# Altium PCB FMC_DAC_125M_14B_16CHA.PcbDoc (part 5 of 9)
Units mm, origin at the board's own origin, x right, y up, seen from the top; angles counter-clockwise.
Board outline 77.15 x 69 mm, 8 copper layers (L1, P2, L3, P4, L5, P6, L7, L8), stack 1.438 mm thick; 612 components, 516 nets, 2304 pads, 1339 vias.
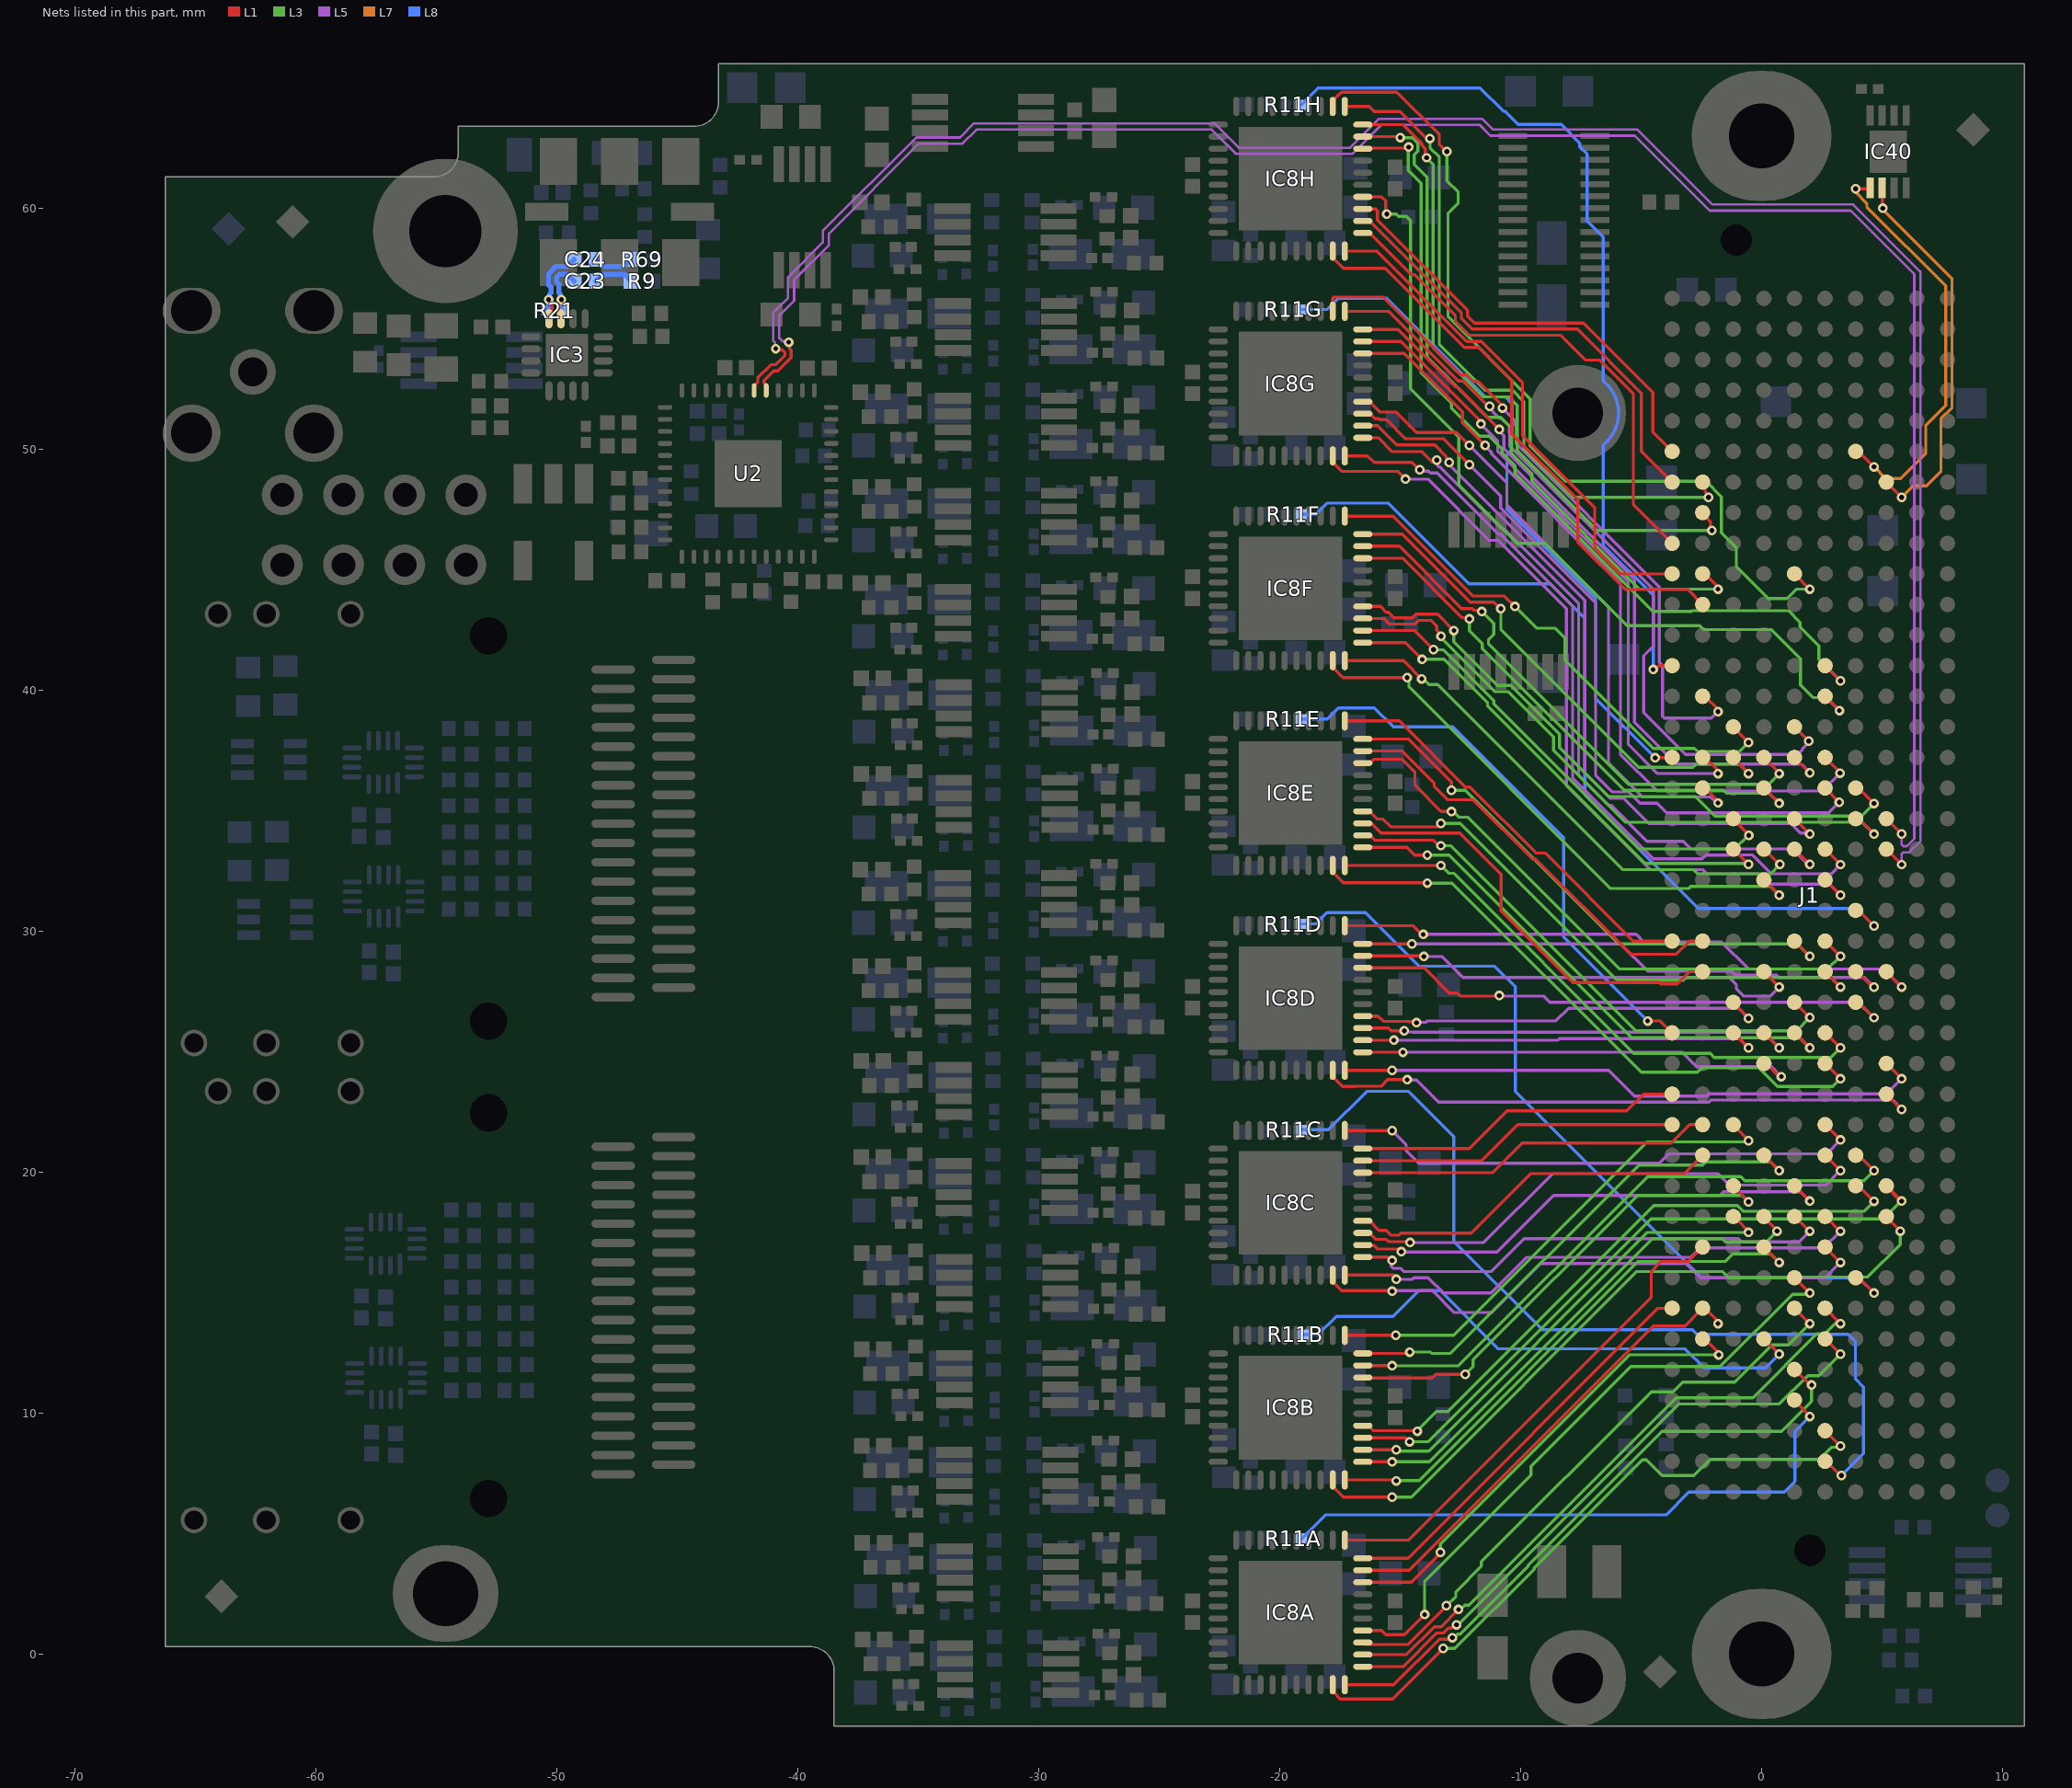
[diagram p11: the nets of this part, all layers, seen from the top]

## Via types
v1: diameter 0.4, hole 0.2, L1 to L8, tented both sides, 1114 vias
v2: diameter 0.5, hole 0.2, L1 to L8, tented both sides, 132 vias
v3: diameter 0.4, hole 0.2, L1 to L8, 61 vias
v4: diameter 0.6, hole 0.3, L1 to L8, tented both sides, 30 vias
v5: diameter 0.6, hole 0.3, L1 to L8, 2 vias

## Nets (pads, with @x,y where several pads share a name; then routed paths per layer and width w, separated by ;. In a path a pad name is that pad's centre, name@x,y a point inside that pad or via, vN(x,y) a via of type N, cw(c..) or ccw(c..) an arc to the next point about the centre after c; other vN are vias at no path point) (continued)
DATA3G: IC8G.12 J1.j27 | length 28.5
  L1 w0.127: IC8G.12@-17.802,55.722 -17.802,56.264 -17.753,56.313 -15.714,56.313 -12.482,53.081 -12.241,53.081 -11.971,52.811 -11.763,52.811 -10.759,51.807 v1(-10.759,51.712) ; J1.j27@-2.445,39.746 -2.357,39.746 -1.81,39.199 v1(-1.81,39.111)
  L5 w0.127: v1(-10.759,51.712) -10.219,51.172 -10.219,50.989 -10.191,50.961 -10.191,50.225 -4.245,44.28 -4.245,41.154 -4.109,41.017 -4.109,38.911 -4.035,38.837 -2.089,38.837 -1.815,39.111 v1(-1.81,39.111)
DATA3H: IC8H.12 J1.f31 | length 37
  L1 w0.127: IC8H.12@-17.802,64.222 -17.802,64.464 -17.57,64.696 -17.549,64.696 -17.433,64.813 -15.136,64.813 -13.378,63.055 -13.378,62.633 -13.098,62.353 v1(-13.061,62.353) ; J1.f31@1.365,44.826 v1(2,44.191)
  L3 w0.127: v1(-13.061,62.353) -13.061,61.132 -12.596,60.666 -12.596,60.22 -13.016,59.8 -13.016,55.492 -9.615,52.092 -9.615,50.132 -8.145,48.662 -2.309,48.662 -1.674,48.027 -1.674,46.526 -1.048,45.901 -1.048,45.127 0.278,43.8 1.052,43.8 1.442,44.191 v1(2,44.191)
DATA4A: IC8A.11 J1.j9 | length 20.5
  L1 w0.127: IC8A.11@-17.302,4.722 -14.659,4.722 -4.579,14.803 -4.579,15.886 -4.172,16.292 -3.039,16.292 J1.j9@-2.445,16.886
DATA4B: IC8B.11 J1.h13 | length 21.1
  L1 w0.127: IC8B.11@-17.302,13.222 v1(-15.182,13.222) ; J1.h13@-1.15,21.966 J1.h13@-1.175,21.966 -1.175,21.95 -0.54,21.315 v1(-0.54,21.299)
  L3 w0.127: v1(-15.182,13.222) -12.778,13.222 -4.746,21.255 -0.584,21.255 v1(-0.54,21.299)
DATA4C: IC8C.11 J1.e13 | length 22.6
  L1 w0.127: IC8C.11@-17.302,21.722 v1(-15.338,21.722) ; J1.e13@2.635,21.966 v1(3.27,21.331)
  L5 w0.127: v1(-15.338,21.722) -14.754,21.138 -14.754,20.895 -14.222,20.363 -4.246,20.363 -3.856,20.753 2.692,20.753 v1(3.27,21.331)
DATA4D: IC8D.11 J1.c18 | length 25.1
  L1 w0.127: IC8D.11@-17.302,30.222 -14.467,30.222 -14.108,29.863 v1(-14.043,29.863) ; J1.c18@5.175,28.316 5.18,28.316 5.18,28.313 5.813,27.681 v1(5.815,27.681)
  L5 w0.127: v1(-14.043,29.863) -5.209,29.863 -4.893,29.547 -1.669,29.547 -0.551,28.429 5.067,28.429 v1(5.815,27.681)
DATA4E: IC8E.11 J1.k19 | length 17.4
  L1 w0.127: IC8E.11@-17.302,38.722 -15.036,38.722 -12.294,35.98 -12.11,35.98 -9.368,33.238 -8.983,33.238 -5.328,29.583 -3.717,29.583 J1.k19@-3.715,29.586
DATA4F: IC8F.11 J1.h26 | length 22.4
  L1 w0.127: IC8F.11@-17.302,47.222 -15.299,47.222 -11.981,43.905 -10.67,43.905 v1(-10.237,43.472) ; J1.h26@-1.175,38.476 -1.175,38.46 v1(-0.54,37.825)
  L3 w0.127: v1(-10.237,43.472) -9.337,42.572 -8.577,42.572 -8.16,42.156 -8.16,41.24 -4.5,37.58 -2.796,37.58 -2.671,37.456 -0.909,37.456 v1(-0.54,37.825)
DATA4G: IC8G.11 J1.f26 | length 32.1
  L1 w0.127: IC8G.11@-17.302,55.722 -15.482,55.722 -12.587,52.827 -12.392,52.827 -11.347,51.782 v1(-11.286,51.782) ; J1.f26@1.365,38.476 v1(1.96,37.881)
  L5 w0.127: v1(-11.286,51.782) -11.286,51.708 -11.149,51.571 -11.149,51.55 -10.872,51.273 -10.792,51.273 -10.473,50.954 -10.473,50.687 -10.445,50.66 -10.445,50.12 -4.499,44.174 -4.499,41.816 -4.89,41.425 -4.89,39.067 -3.157,37.334 1.493,37.334 1.7,37.541 1.7,37.588 1.96,37.847 v1(1.96,37.881)
DATA4H: IC8H.11 J1.j34 | length 28.5
  L1 w0.127: IC8H.11@-17.302,64.222 -16.289,64.222 -16.077,64.01 -15.016,64.01 -13.899,62.893 v1(-13.769,62.893) ; J1.j34@-2.445,48.636 -2.347,48.538 -2.347,48.222 -2.199,48.075 v1(-2.199,48.001)
  L3 w0.127: v1(-13.769,62.893) -13.763,62.887 -13.763,62.502 -13.377,62.116 -13.377,54.335 -11.487,52.446 -10.338,52.446 -9.869,51.976 -9.869,50.027 -7.842,48.001 v1(-2.199,48.001)
DATA5A: IC8A.10 J1.k7 | length 17.1
  L1 w0.127: IC8A.10@-16.552,3.972 -14.673,3.972 -4.299,14.346 J1.k7@-3.715,14.346
DATA5B: IC8B.10 J1.g12 | length 21.7
  L1 w0.127: IC8B.10@-16.552,12.472 -14.659,12.472 v1(-14.604,12.527) ; J1.g12@0.095,20.696 v1(0.73,20.061)
  L3 w0.127: v1(-14.604,12.527) -13.744,12.527 -13.69,12.472 -12.904,12.472 -5.087,20.289 -2.445,20.289 -2.315,20.419 0.371,20.419 v1(0.73,20.061)
DATA5C: IC8C.10 J1.k14 | length 13.8
  L1 w0.127: IC8C.10@-16.552,20.972 -12.127,20.972 -10.563,22.537 -5.595,22.537 -4.895,23.236 J1.k14@-3.715,23.236
DATA5D: IC8D.10 J1.d18 | length 23
  L1 w0.127: IC8D.10@-16.552,29.472 v1(-14.515,29.472) ; J1.d18@3.905,28.316 3.966,28.316 4.607,27.675 v1(4.668,27.675)
  L5 w0.127: v1(-14.515,29.472) -5.862,29.472 -4.725,28.335 -1.257,28.335 -1.097,28.175 0.626,28.175 0.73,28.071 4.271,28.071 v1(4.668,27.675)
DATA5E: IC8E.10 J1.f19 | length 23.4
  L1 w0.127: IC8E.10@-16.552,37.972 -14.658,37.972 -12.869,36.183 v1(-12.869,35.841) ; J1.f19@1.365,29.586 v1(2,28.951)
  L3 w0.127: v1(-12.869,35.841) -12.301,35.841 -5.932,29.472 1.478,29.472 v1(2,28.951)
DATA5F: IC8F.10 J1.h25 | length 21.7
  L1 w0.127: IC8F.10@-16.552,46.472 -14.908,46.472 -12.086,43.651 -11.108,43.651 -10.842,43.385 v1(-10.822,43.385) ; J1.h25@-1.175,37.206 -1.175,37.19 -0.54,36.555 v1(-0.54,36.538)
  L3 w0.127: v1(-10.822,43.385) -10.815,43.378 -10.822,43.371 -10.822,42.515 -5.106,36.799 -2.856,36.799 -2.726,36.929 -0.93,36.929 v1(-0.54,36.538)
DATA5G: IC8G.10 J1.f25 | length 30.9
  L1 w0.127: IC8G.10@-16.552,54.972 -15.092,54.972 -12.692,52.573 -12.629,52.573 -10.891,50.834 v1(-10.891,50.82) ; J1.f25@1.365,37.206 v1(2,36.571)
  L5 w0.127: v1(-10.891,50.82) -10.891,50.746 -10.699,50.554 -10.699,50.015 -5.28,44.596 -5.28,38.666 -3.543,36.929 1.642,36.929 v1(2,36.571)
DATA5H: IC8H.10 J1.j33 | length 28.1
  L1 w0.127: IC8H.10@-16.552,63.472 -14.9,63.472 -14.12,62.692 -14.12,62.635 -13.96,62.475 -13.96,62.147 v1(-13.908,62.095) ; J1.j33@-2.445,47.366 -2.445,47.301 -2.116,46.972 -2.116,46.678 v1(-2.064,46.626)
  L3 w0.127: v1(-13.908,62.095) -13.631,61.818 -13.631,54.23 -11.573,52.172 -10.487,52.172 -10.141,51.826 -10.141,49.94 -6.826,46.626 v1(-2.064,46.626)
DATA6A: IC8A.9 J1.j7 | length 19.6
  L1 w0.127: IC8A.9@-16.552,3.472 -14.63,3.472 -4.493,13.609 -3.182,13.609 -2.521,14.27 -2.445,14.27 J1.j7@-2.445,14.346 -2.357,14.346 -1.81,13.799 v1(-1.81,13.711)
DATA6B: IC8B.9 J1.d12 | length 25.8
  L1 w0.127: IC8B.9@-16.552,11.972 -15.352,11.972 v1(-15.338,11.958) ; J1.d12@3.905,20.696 4.032,20.696 J1.d12@4.032,20.632 ; J1.d12@4.033,20.687 v1@4.665,20.055 ; v1@4.629,20.035 v1@4.692,20.035
  L3 w0.127: v1(-15.338,11.958) -12.583,11.958 -4.728,19.814 -0.877,19.814 -0.702,19.638 4.252,19.638 v1@4.649,20.035
  other v1: 4.668,20.055
DATA6C: IC8C.9 J1.k13 | length 13.5
  L1 w0.127: IC8C.9@-16.552,20.472 -11.609,20.472 -10.116,21.966 J1.k13@-3.715,21.966
DATA6D: IC8D.9 J1.g18 | length 19.1
  L1 w0.127: IC8D.9@-16.552,28.972 -14.043,28.972 v1(-14.016,28.945) ; J1.g18@0.095,28.316 v1(0.73,27.681)
  L5 w0.127: v1(-14.016,28.945) -13.268,28.945 -12.404,28.081 -1.893,28.081 ; -1.893,28.071 -1.353,28.071 -1.048,27.766 -1.048,27.605 -0.743,27.3 0.349,27.3 v1(0.73,27.681)
DATA6E: IC8E.9 J1.j19 | length 17.9
  L1 w0.127: IC8E.9@-16.552,37.472 -14.907,37.472 -13.59,36.156 -13.59,36.01 -13.031,35.451 -11.969,35.451 -9.503,32.984 -9.376,32.984 -5.431,29.039 -3.54,29.039 -2.993,29.586 J1.j19@-2.445,29.586
DATA6F: IC8F.9 J1.g25 | length 23.3
  L1 w0.127: IC8F.9@-16.552,45.972 -15.039,45.972 -12.451,43.385 -12.004,43.385 -11.931,43.313 -11.661,43.313 v1(-11.609,43.26) ; J1.g25@0.095,37.206 0.73,36.571 v1(0.73,36.538)
  L3 w0.127: v1(-11.609,43.26) -11.122,42.773 -11.122,42.31 -11.335,42.097 -11.335,41.913 -5.518,36.095 0.287,36.095 v1(0.73,36.538)
DATA6G: IC8G.9 J1.j25 | length 27.4
  L1 w0.127: IC8G.9@-16.552,54.472 -14.978,54.472 -11.655,51.149 v1(-11.655,51.047) ; J1.j25@-2.445,37.206 -2.357,37.206 -1.81,36.659 v1(-1.81,36.538)
  L5 w0.127: v1(-11.655,51.047) -11.655,51.032 -10.953,50.33 -10.953,49.909 -5.534,44.491 -5.534,37.756 -4.317,36.538 v1(-1.81,36.538)
DATA6H: IC8H.9 J1.j31 | length 29.4
  L1 w0.127: IC8H.9@-16.552,62.972 -15.035,62.972 v1(-14.997,62.933) ; J1.j31@-2.445,44.826 -2.357,44.826 -1.81,44.279 v1(-1.81,44.191)
  L3 w0.127: v1(-14.997,62.933) -14.99,62.926 -14.489,62.926 -14.26,62.698 -14.26,62.374 -14.418,62.216 -14.418,61.809 -13.885,61.276 -13.885,53.828 -11.378,51.321 -10.84,51.321 -10.395,50.877 -10.395,49.835 -9.536,48.976 -9.536,48.659 -5.068,44.191 v1(-1.81,44.191)
DATA7A: IC8A.8 J1.j6 | length 19.8
  L1 w0.127: IC8A.8@-16.552,2.972 -14.538,2.972 -13.335,4.175 v3(-13.335,4.215) ; J1.j6@-2.445,13.076 -2.357,13.076 v1@-1.81,12.529
  L3 w0.127: v3(-13.335,4.215) -13.335,4.565 -5.486,12.414 v1(-1.779,12.414)
DATA7B: IC8B.8 J1.h11 | length 20.4
  L1 w0.127: IC8B.8@-16.552,11.472 -16.531,11.451 -13.665,11.451 -13.516,11.601 v3(-12.301,11.601) ; J1.h11@-1.175,19.426 -1.175,19.41 -0.54,18.775 v1(-0.54,18.759)
  L3 w0.127: v3(-12.301,11.601) -11.976,11.926 -11.976,12.207 -5.149,19.033 -0.818,19.033 -0.544,18.759 v1(-0.54,18.759)
DATA7C: IC8C.8 J1.j13 | length 14.9
  L1 w0.127: IC8C.8@-16.552,19.972 -11.168,19.972 -9.934,21.206 -3.752,21.206 -2.993,21.966 J1.j13@-2.445,21.966
DATA7D: IC8D.8 J1.d17 | length 23
  L1 w0.127: IC8D.8@-16.552,28.472 -14.008,28.472 -12.967,27.431 -12.619,27.431 -12.487,27.3 -10.973,27.3 -10.952,27.321 v3(-10.891,27.321) ; J1.d17@4.033,27.037 v1@4.665,26.405
  L5 w0.127: v3@-10.891,27.3 -9.04,27.3 -8.786,27.046 4.027,27.046 v1(4.668,26.405)
DATA7E: IC8E.8 J1.e19 | length 24.9
  L1 w0.127: IC8E.8@-16.552,36.972 -16.244,36.972 -16.085,37.131 -14.925,37.131 -14.389,36.595 -14.389,36.046 -13.303,34.96 v1(-12.869,34.96) ; J1.e19@2.635,29.586 v1(3.27,28.951)
  L3 w0.127: v1(-12.869,34.96) -12.796,34.96 -12.562,34.726 -12.21,34.726 -5.912,28.429 2.748,28.429 v1(3.27,28.951)
DATA7F: IC8F.8 J1.g24 | length 22.8
  L1 w0.127: IC8F.8@-16.552,45.472 -14.898,45.472 -12.434,43.008 -12.179,43.008 v1(-12.127,42.956) ; J1.g24@0.095,35.936 v1(0.73,35.301)
  L3 w0.127: v1(-12.127,42.956) -12.127,42.461 -11.589,41.923 -11.589,41.73 -5.7,35.841 -1.57,35.841 -1.444,35.715 0.315,35.715 v1(0.73,35.301)
DATA7G: IC8G.8 J1.e25 | length 33
  L1 w0.127: IC8G.8@-16.552,53.972 -14.837,53.972 -12.413,51.548 -12.413,51.094 v1(-11.472,50.153) ; J1.e25@2.635,37.206 2.635,37.196 3.251,36.58 v1(3.251,36.558)
  L5 w0.127: v1(-11.472,50.153) -11.472,50.13 -11.207,49.865 -11.207,49.804 -5.862,44.46 -5.862,37.334 -4.345,35.817 2.516,35.817 3.251,36.552 v1(3.251,36.558)
DATA7H: IC8H.8 J1.e28 | length 36
  L1 w0.127: IC8H.8@-16.552,62.472 -16.528,62.496 -14.691,62.496 v1(-14.65,62.536) ; J1.e28@2.635,41.016 v1(3.27,40.381)
  L3 w0.127: v1(-14.65,62.536) -14.672,62.514 -14.672,61.578 -14.139,61.045 -14.139,53.178 -12.868,51.907 -12.868,51.707 -11.704,50.543 -11.31,50.543 -10.774,50.007 -10.774,49.854 -10.237,49.318 -10.237,49.001 -4.506,43.27 -2.908,43.27 -2.883,43.296 1.112,43.296 1.592,42.816 1.592,42.611 2.373,41.83 2.373,41.278 v1(3.27,40.381)
DATA8A: IC8A.4 J1.f8 | length 27.2
  L1 w0.127: IC8A.4@-16.552,0.972 -15.771,0.972 -15.604,0.805 -14.818,0.805 v1(-13.987,1.636) ; v1@1.898,14.93 1.898,15.082 J1.f8@1.365,15.616 v1(2,14.981)
  L3 w0.127: v1(-13.987,1.636) -13.987,3.01 -9.566,7.432 -9.566,7.796 -5.438,11.924 -1.717,11.924 1.289,14.93 v1@1.898,14.93
DATA8B: IC8B.4 J1.d11 | length 26.4
  L1 w0.127: IC8B.4@-16.552,9.472 -16.331,9.472 -16.124,9.266 -14.314,9.266 v1(-14.293,9.245) ; J1.d11@4.033,19.417 v1@4.665,18.785
  L3 w0.127: v1(-14.293,9.245) -14.293,9.279 -13.51,10.063 -13.024,10.063 -4.478,18.609 -1.001,18.609 -0.76,18.368 4.252,18.368 v1(4.668,18.785)
DATA8C: IC8C.4 J1.j12 | length 15.7
  L1 w0.127: IC8C.4@-16.552,17.972 -16.277,17.972 -15.881,17.576 -15.588,17.576 -15.391,17.379 -15.053,17.379 -14.97,17.463 -12.051,17.463 -9.577,19.936 -3.204,19.936 J1.j12@-2.445,20.696
DATA8D: IC8D.4 J1.h17 | length 17.5
  L1 w0.127: IC8D.4@-16.552,26.472 -15.918,26.472 -15.699,26.253 -14.672,26.253 -14.667,26.249 -14.377,26.249 v1(-14.325,26.196) ; J1.h17@-1.175,27.046 -1.175,27.03 -0.54,26.395 v1(-0.54,26.379)
  L5 w0.127: v1(-14.325,26.196) -14.31,26.211 -13.934,26.211 -13.871,26.274 -8.533,26.274 -8.015,26.792 -0.953,26.792 v1(-0.54,26.379)
DATA8E: IC8E.4 J1.e18 | length 24
  L1 w0.127: IC8E.4@-16.552,34.972 -16.277,34.972 -15.954,34.65 -15.719,34.65 -15.396,34.326 -13.461,34.326 v1(-13.315,34.472) ; J1.e18@2.635,28.316 v1(3.27,27.681)
  L3 w0.127: v1(-13.315,34.472) -12.515,34.472 -5.998,27.956 -3.251,27.956 -3.126,28.081 2.87,28.081 v1(3.27,27.681)
DATA8F: IC8F.4 J1.d24 | length 26.7
  L1 w0.127: IC8F.4@-16.552,43.472 -15.82,43.472 -15.574,43.226 -15.482,43.226 -15.25,42.994 -14.497,42.994 -14.343,43.147 -13.447,43.147 v1(-12.772,42.472) ; J1.d24@4.033,35.927 v1@4.665,35.295
  L3 w0.127: v1(-12.772,42.472) -12.772,42.001 -10.96,40.19 -10.408,40.19 -8.383,38.165 -8.383,37.612 -6.358,35.587 -2.763,35.587 -1.946,34.77 4.143,34.77 v1(4.668,35.295)
DATA8G: IC8G.4 J1.j24 | length 26.9
  L1 w0.127: IC8G.4@-16.552,51.972 -16.277,51.972 -15.849,51.544 -15.18,51.544 -14.324,50.687 -12.661,50.687 v1(-12.127,50.153) ; J1.j24@-2.445,35.936 -2.357,35.936 -1.81,35.389 v1(-1.81,35.318)
  L5 w0.127: v1(-12.127,50.153) -10.571,48.597 -10.571,47.671 -6.357,43.456 -6.357,36.98 -4.939,35.563 -2.117,35.563 -1.872,35.318 v1(-1.81,35.318)
DATA8H: IC8H.4 J1.e27 | length 35.6
  L1 w0.127: IC8H.4@-16.552,60.472 -15.771,60.472 -15.608,60.31 -15.608,59.813 v1(-15.556,59.761) ; J1.e27@2.635,39.746 v1(3.23,39.151)
  L3 w0.127: v1(-15.556,59.761) -15.161,59.761 -15.063,59.663 -14.742,59.663 -14.576,59.497 -14.576,52.511 -12.562,50.497 -12.562,48.516 -10.141,46.096 -8.996,46.096 -5.574,42.674 -2.575,42.674 -2.416,42.515 0.388,42.515 1.625,41.278 1.625,40.756 1.609,40.74 1.609,40.219 2.138,39.691 2.69,39.691 v1(3.23,39.151)
DATA9A: IC8A.3 J1.f7 | length 26.2
  L1 w0.127: IC8A.3@-16.552,0.472 -16.469,0.389 -14.681,0.389 -13.692,1.378 -13.082,1.988 v1(-13.082,2.001) ; v1@2,13.685 2,13.698 1.378,14.32 1.365,14.32 J1.f7@1.365,14.346 v1(2,13.711)
  L3 w0.127: v1(-13.082,2.001) -12.691,2.392 -12.691,2.581 -11.627,3.645 -11.627,3.829 -4.574,10.882 -3.68,10.882 -3.28,11.282 -1.115,11.282 0.435,12.831 1.12,12.831 v1(2,13.711)
DATA9B: IC8B.3 J1.c11 | length 28.3
  L1 w0.127: IC8B.3@-16.552,8.972 -16.535,8.956 -16.527,8.964 -14.765,8.964 v1(-14.607,8.807) ; v1@5.759,18.765 5.759,18.803 5.213,19.35 5.175,19.35 J1.c11@5.175,19.426 5.18,19.426 5.18,19.423 5.813,18.791 v1(5.815,18.791)
  L3 w0.127: v1(-14.607,8.807) -13.844,8.807 -4.594,18.056 5.05,18.056 v1@5.759,18.765
DATA9C: IC8C.3 J1.e12 | length 22.5
  L1 w0.127: IC8C.3@-16.552,17.472 -16.277,17.472 -16.007,17.203 -15.588,17.203 -15.497,17.111 -14.627,17.111 v1(-14.588,17.072) ; J1.e12@2.635,20.696 v1(3.27,20.061)
  L5 w0.127: v1(-14.588,17.072) -11.529,17.072 -8.668,19.934 -1.81,19.934 -1.332,19.456 2.665,19.456 3.243,20.033 3.27,20.033 v1(3.27,20.061)
DATA9D: IC8D.3 J1.g16 | length 18.5
  L1 w0.127: IC8D.3@-16.552,25.972 -15.484,25.972 -15.374,25.863 v1(-14.834,25.863) ; J1.g16@0.095,25.776 0.1,25.776 0.725,25.15 v1(0.73,25.15)
  L5 w0.127: v1(-14.834,25.863) -14.781,25.811 -14.491,25.811 -14.486,25.806 0.074,25.806 v1(0.73,25.15)
DATA9E: IC8E.3 J1.j18 | length 18
  L1 w0.127: IC8E.3@-16.552,34.472 -16.528,34.449 -16.175,34.449 -15.798,34.072 -12.529,34.072 -10.815,32.358 -10.815,30.843 -7.843,27.871 -4.246,27.871 -4.181,27.805 -3.503,27.805 -2.993,28.316 J1.j18@-2.445,28.316
DATA9F: IC8F.3 J1.d23 | length 26.5
  L1 w0.127: IC8F.3@-16.552,42.972 -15.68,42.972 -15.447,42.74 -14.392,42.74 -14.238,42.893 -13.713,42.893 -13.485,42.665 -13.485,42.491 -13.303,42.309 v1(-13.303,42.235) ; J1.d23@4.033,34.657 v1@4.665,34.025
  L3 w0.127: v1(-13.303,42.235) -13.303,42.173 -11.066,39.936 -10.513,39.936 -8.637,38.059 -8.637,37.507 -5.646,34.516 4.177,34.516 v1(4.668,34.025)
DATA9G: IC8G.3 J1.e24 | length 32.1
  L1 w0.127: IC8G.3@-16.552,51.472 -16.244,51.472 -16.041,51.269 -15.884,51.269 -15.841,51.226 -15.57,51.226 -14.777,50.433 -13.201,50.433 v1(-12.127,49.359) ; J1.e24@2.635,35.936 v1(3.222,35.349)
  L5 w0.127: v1(-12.127,49.359) -10.825,48.057 -10.825,47.565 -6.89,43.63 -6.89,36.476 -6.187,35.773 -5.509,35.773 -5.044,35.309 -4.338,35.309 -3.939,34.91 2.783,34.91 v1(3.222,35.349)
DATA9H: IC8H.3 J1.k35 | length 18.3
  L1 w0.127: IC8H.3@-16.552,59.972 -16.021,59.972 -15.947,59.898 -15.947,59.501 -12.205,55.759 -12.205,55.522 -11.918,55.235 -7.394,55.235 -4.512,52.353 -4.512,50.703 J1.k35@-3.715,49.906
DATA10A: IC8A.2 J1.e7 | length 27.1
  L1 w0.127: IC8A.2@-16.551,-0.029 -14.74,-0.029 -13.587,1.124 -13.3,1.124 v1(-12.579,1.846) ; v1@3.168,13.812 J1.e7@2.635,14.346 v1(3.27,13.711)
  L3 w0.127: v1(-12.579,1.846) -12.505,1.846 -12.322,2.029 -12.139,2.029 -3.54,10.628 -0.359,10.628 2.308,13.295 2.651,13.295 v1@3.168,13.812
DATA10B: IC8B.2 J1.h10 | length 20.8
  L1 w0.127: IC8B.2@-16.552,8.472 v1(-15.16,8.472) ; J1.h10@-1.175,18.156 -1.087,18.156 -1.087,18.09 -0.54,17.542 v1(-0.54,17.494)
  L3 w0.127: v1(-15.16,8.472) -15.104,8.416 -13.815,8.416 -4.737,17.494 v1(-0.54,17.494)
DATA10C: IC8C.2 J1.f11 | length 20.8
  L1 w0.127: IC8C.2@-16.552,16.972 -16.528,16.949 -16.074,16.949 -15.926,16.801 -15.086,16.801 -14.977,16.692 v1(-14.956,16.692) ; J1.f11@1.365,19.426 v1(2,18.791)
  L5 w0.127: v1(-14.956,16.692) -14.946,16.682 -10.98,16.682 -8.629,19.033 -1.732,19.033 -1.583,19.181 1.61,19.181 v1(2,18.791)
DATA10D: IC8D.2 J1.h16 | length 17.1
  L1 w0.127: IC8D.2@-16.552,25.472 v1(-15.264,25.472) ; J1.h16@-1.175,25.776 -1.17,25.776 -0.545,25.15 v1(-0.54,25.15)
  L5 w0.127: v1(-15.264,25.472) -8.454,25.472 -8.385,25.541 -0.93,25.541 v1(-0.54,25.15)
DATA10E: IC8E.2 J1.f17 | length 23
  L1 w0.127: IC8E.2@-16.552,33.972 -16.244,33.972 -16.041,33.769 -13.615,33.769 -13.389,33.543 v1(-13.315,33.543) ; J1.f17@1.365,27.046 v1(2,26.411)
  L3 w0.127: v1(-13.315,33.543) -12.903,33.543 -5.222,25.863 1.452,25.863 v1(2,26.411)
DATA10F: IC8F.2 J1.h23 | length 21
  L1 w0.127: IC8F.2@-16.552,42.472 -14.401,42.472 v1(-13.615,41.686) ; J1.h23@-1.175,34.666 -1.175,34.65 -0.54,34.015 -0.54,33.984 v1(-0.531,33.975)
  L3 w0.127: v1(-13.615,41.686) -13.605,41.677 -13.224,41.677 -11.119,39.571 -11.119,39.436 -5.092,33.41 -1.11,33.41 -0.545,33.975 v1(-0.531,33.975)
DATA10G: IC8G.2 J1.f23 | length 30.8
  L1 w0.127: IC8G.2@-16.552,50.972 -15.947,50.972 -15.153,50.179 -13.566,50.179 -13.094,49.708 -13.094,49.65 -12.967,49.523 v1(-12.967,49.449) ; J1.f23@1.365,34.666 v1(2,34.031)
  L5 w0.127: v1(-12.967,49.449) -12.967,49.348 -7.339,43.72 -7.339,36.566 -6.292,35.519 -5.732,35.519 -4.685,34.472 1.209,34.472 1.609,34.072 1.958,34.072 v1(2,34.031)
DATA10H: IC8H.2 J1.k34 | length 18.9
  L1 w0.127: IC8H.2@-16.552,59.472 -16.278,59.472 -12.459,55.654 -12.459,55.417 -12.023,54.981 -7.645,54.981 -4.985,52.321 -4.985,49.906 J1.k34@-3.715,48.636
DATA11A: IC8A.1 J1.e6 | length 26.1
  L1 w0.127: IC8A.1@-16.552,-0.528 -14.88,-0.528 -13.482,0.87 -13.195,0.87 -13.001,1.064 -12.882,1.064 -12.737,1.21 v1(-12.663,1.21) ; J1.e6@2.635,13.076 v1(3.27,12.441)
  L3 w0.127: v1(-12.663,1.21) -12.599,1.21 -3.434,10.374 0.742,10.374 1.915,11.547 2.376,11.547 v1(3.27,12.441)
DATA11B: IC8B.1 J1.g10 | length 22.1
  L1 w0.127: IC8B.1@-16.552,7.972 v1(-15.338,7.972) ; J1.g10@0.095,18.156 0.095,18.095 0.125,18.095 0.644,17.576 v1(0.644,17.546)
  L3 w0.127: v1(-15.338,7.972) -13.797,7.972 -4.529,17.24 -1.639,17.24 -1.502,17.103 0.202,17.103 v1(0.644,17.546)
DATA11C: IC8C.1 J1.f10 | length 20.7
  L1 w0.127: IC8C.1@-16.552,16.472 -15.517,16.472 -15.374,16.328 v1(-15.338,16.328) ; J1.f10@1.365,18.156 1.39,18.156 1.39,18.143 1.987,17.546 v1(2,17.546)
  L5 w0.127: v1(-15.338,16.328) -15.374,16.293 -15.374,16.086 -15.294,16.006 -14.999,16.006 -14.862,15.87 -11.218,15.87 -9.848,17.24 -0.961,17.24 -0.824,17.103 1.557,17.103 v1(2,17.546)
DATA11D: IC8D.1 J1.g15 | length 18.7
  L1 w0.127: IC8D.1@-16.552,24.972 v1(-14.886,24.972) ; J1.g15@0.095,24.506 0.195,24.506 0.743,23.958 v1(0.817,23.958)
  L5 w0.127: v1(-14.886,24.972) -3.297,24.972 -2.691,24.367 0.408,24.367 v1(0.817,23.958)
DATA11E: IC8E.1 J1.f16 | length 22.9
  L1 w0.127: IC8E.1@-16.552,33.472 -14.727,33.472 -14.407,33.153 v1(-13.875,33.153) ; J1.f16@1.365,25.776 1.37,25.776 1.995,25.15 v1(2,25.15)
  L3 w0.127: v1(-13.875,33.153) -12.975,33.153 -5.395,25.572 1.578,25.572 v1(2,25.15)
DATA11F: IC8F.1 J1.h22 | length 20.8
  L1 w0.127: IC8F.1@-16.552,41.972 -14.782,41.972 v1(-14.087,41.278) ; J1.h22@-1.175,33.396 -1.172,33.396 -0.543,32.767 v1(-0.54,32.767)
  L3 w0.127: v1(-14.087,41.278) -13.185,41.278 -11.373,39.466 -11.373,39.331 -4.844,32.802 -0.575,32.802 v1(-0.54,32.767)
DATA11G: IC8G.1 J1.f22 | length 31.2
  L1 w0.127: IC8G.1@-16.552,50.472 -15.903,50.472 -15.328,49.897 -14.098,49.897 -13.669,49.468 -13.637,49.468 -13.559,49.546 v1(-13.485,49.546) ; J1.f22@1.365,33.396 1.368,33.396 1.997,32.767 v1(2,32.767)
  L5 w0.127: v1(-13.485,49.546) -13.521,49.51 -13.521,49.404 -13.381,49.264 -13.353,49.264 -10.811,46.722 -10.716,46.722 -7.593,43.598 -7.593,36.461 -6.357,35.224 -6.255,35.224 -4.753,33.723 -3.258,33.723 -2.945,33.41 -1.449,33.41 -1.448,33.412 1.273,33.412 1.683,33.002 1.692,33.002 1.926,32.767 v1(2,32.767)
DATA11H: IC8H.1 J1.k32 | length 21
  L1 w0.127: IC8H.1@-16.552,58.972 -16.277,58.972 -14.554,57.249 -14.413,57.249 -12.713,55.549 -12.713,55.312 -12.129,54.727 -8.338,54.727 -7.306,53.695 -6.718,53.695 -5.328,52.305 -5.328,47.708 J1.k32@-3.715,46.096
DATA12A: IC8A.40 J1.f5 | length 25.9
  L1 w0.127: IC8A.40@-17.302,-1.278 -15.271,-1.278 -13.377,0.616 -12.897,0.616 v1(-12.839,0.674) ; J1.f5@1.365,11.806 2.014,11.156 v1(2.077,11.156)
  L3 w0.127: v1(-12.839,0.674) -12.765,0.674 -12.62,0.819 -12.501,0.819 -9.696,3.624 -9.696,3.672 -4.128,9.24 0.832,9.24 2.077,10.485 v1(2.077,11.156)
DATA12B: IC8B.40 J1.g9 | length 23
  L1 w0.127: IC8B.40@-17.302,7.222 -15.199,7.222 v1(-15.16,7.183) ; J1.g9@0.095,16.886 v1(0.73,16.251)
  L3 w0.127: v1(-15.16,7.183) -15.144,7.199 -14.211,7.199 -5.118,16.292 -1.502,16.292 -1.184,16.61 0.371,16.61 v1(0.73,16.251)
DATA12C: IC8C.40 J1.e10 | length 22.9
  L1 w0.127: IC8C.40@-17.302,15.722 -15.267,15.722 -15.16,15.616 v1(-15.16,15.547) ; J1.e10@2.635,18.156 2.66,18.156 2.66,18.143 3.257,17.546 v1(3.27,17.546)
  L5 w0.127: v1(-15.16,15.547) -14.498,15.547 -14.43,15.616 -13.841,15.616 -13.206,14.981 -11.233,14.981 -9.755,16.459 -2.945,16.459 -2.554,16.849 2.573,16.849 v1(3.27,17.546)
DATA12D: IC8D.40 J1.c15 | length 24.8
  L1 w0.127: IC8D.40@-17.302,24.222 v1(-15.338,24.222) ; J1.c15@5.175,24.506 5.18,24.506 5.18,24.503 5.813,23.871 v1(5.815,23.871)
  L5 w0.127: v1(-15.338,24.222) -6.338,24.222 -5.271,23.155 -2.291,23.155 -2.201,23.245 5.19,23.245 v1(5.815,23.871)
DATA12E: IC8E.40 J1.e16 | length 24.9
  L1 w0.127: IC8E.40@-17.302,32.722 v1(-13.315,32.722) ; J1.e16@2.635,25.776 2.64,25.776 3.265,25.15 v1(3.27,25.15)
  L3 w0.127: v1(-13.315,32.722) -12.991,32.398 -12.784,32.398 -5.308,24.921 -2.133,24.921 -1.972,24.76 2.879,24.76 v1(3.27,25.15)
DATA12F: IC8F.40 J1.g22 | length 22.8
  L1 w0.127: IC8F.40@-17.302,41.222 -14.861,41.222 v1(-14.108,40.469) ; J1.g22@0.095,33.396 0.111,33.396 0.74,32.767 v1(0.76,32.767)
  L3 w0.127: v1(-14.108,40.469) -14.034,40.469 -13.802,40.237 -13.442,40.237 -5.753,32.548 -2.815,32.548 -2.643,32.377 0.369,32.377 v1(0.76,32.767)
DATA12G: IC8G.40 J1.e22 | length 33.1
  L1 w0.127: IC8G.40@-17.302,49.722 -16.36,49.722 -16.085,49.447 -14.505,49.447 -14.204,49.146 v1(-14.19,49.146) ; J1.e22@2.635,33.396 v1(3.27,32.761)
  L5 w0.127: v1(-14.19,49.146) -14.137,49.094 -13.826,49.094 -13.741,49.01 -13.458,49.01 -10.917,46.468 -10.822,46.468 -7.847,43.493 -7.847,36.355 -4.493,33.002 -2.463,33.002 -2.309,33.156 -1.344,33.156 -1.343,33.158 -0.378,33.158 0.403,32.377 2.886,32.377 v1(3.27,32.761)
DATA12H: IC8H.40 J1.k31 | length 21.4
  L1 w0.127: IC8H.40@-17.302,58.222 -15.983,58.222 -12.234,54.473 -11.637,54.473 -9.924,52.76 -9.924,50.557 -6.925,47.559 -6.925,45.882 -5.869,44.826 J1.k31@-3.715,44.826
DATA13A: IC8A.39 J1.e3 | length 27.3
  L1 w0.127: IC8A.39@-17.802,-1.278 -17.802,-1.553 -17.486,-1.868 -15.309,-1.868 v1(-13.215,0.226) ; J1.e3@2.635,9.266 v1(3.27,8.631)
  L3 w0.127: v1(-13.215,0.226) -12.735,0.226 -9.442,3.518 -9.442,3.566 -4.957,8.052 -4.774,8.052 -4.124,7.401 -2.805,7.401 -2.137,8.069 2.378,8.069 2.887,8.578 3.218,8.578 v1(3.27,8.631)
DATA13B: IC8B.39 J1.c10 | length 30
  L1 w0.127: IC8B.39@-17.802,7.222 -17.802,6.947 -17.364,6.51 v1(-15.338,6.51) ; J1.c10@5.175,18.156 5.175,18.13 5.188,18.13 5.759,17.559 v1(5.759,17.546)
  L3 w0.127: v1(-15.338,6.51) -14.541,6.51 -5.181,15.87 -1.629,15.87 -1.373,15.614 1.197,15.614 1.224,15.641 4.406,15.641 5.759,16.994 v1(5.759,17.546)
DATA13C: IC8C.39 J1.e9 | length 24
  L1 w0.127: IC8C.39@-17.802,15.722 -17.802,15.447 -17.427,15.072 -15.359,15.072 v1(-15.338,15.051) ; J1.e9@2.635,16.886 v1@3.165,16.356
  L5 w0.127: v1(-15.338,15.051) -15.317,15.072 -13.657,15.072 -12.752,14.168 -11.208,14.168 -9.171,16.205 -3.146,16.205 -2.557,15.616 2.635,15.616 3.197,16.177 3.27,16.177 v1(3.27,16.251)
DATA13D: IC8D.39 J1.c14 | length 25.7
  L1 w0.127: IC8D.39@-17.802,24.222 -17.802,23.947 -17.401,23.546 -16.907,23.546 -16.892,23.561 -15.797,23.561 -15.526,23.832 v1(-14.713,23.832) ; J1.c14@5.175,23.236 5.18,23.236 5.18,23.233 5.813,22.601 v1(5.815,22.601)
  L5 w0.127: v1(-14.713,23.832) -14.702,23.821 -14.322,23.821 -13.402,22.901 -2.186,22.901 -2.096,22.991 5.425,22.991 v1(5.815,22.601)
  L3 w0.127: v1(-14.713,23.832) v1@-14.706,23.839
DATA13E: IC8E.39 J1.e15 | length 26.2
  L1 w0.127: IC8E.39@-17.802,32.722 -17.802,32.447 -17.364,32.01 -13.892,32.01 v1(-13.875,31.992) ; J1.e15@2.635,24.506 v1(3.27,23.871)
  L3 w0.127: v1(-13.875,31.992) -12.852,31.992 -4.999,24.14 -2.655,24.14 -2.459,24.337 -0.114,24.337 0.667,23.556 2.955,23.556 v1(3.27,23.871)
DATA13F: IC8F.39 J1.g21 | length 23.9
  L1 w0.127: IC8F.39@-17.802,41.222 -17.802,40.947 -17.375,40.52 v1(-14.711,40.52) ; J1.g21@0.095,32.126 v1(0.73,31.491)
  L3 w0.127: v1(-14.711,40.52) -14.638,40.447 -14.638,40.13 -6.275,31.767 -3.03,31.767 -2.948,31.849 0.371,31.849 v1(0.73,31.491)
DATA13G: IC8G.39 J1.e21 | length 34
  L1 w0.127: IC8G.39@-17.802,49.722 -17.802,49.447 -17.435,49.08 -15.106,49.08 v1(-14.782,48.756) ; J1.e21@2.635,32.126 v1(3.27,31.491)
  L5 w0.127: v1(-14.782,48.756) -13.847,48.756 -11.305,46.214 -10.927,46.214 -8.101,43.388 -8.101,36.042 -4.607,32.548 -2.429,32.548 -2.258,32.377 -0.08,32.377 0.349,31.948 2.813,31.948 v1(3.27,31.491)
DATA13H: IC8H.39 J1.j30 | length 23.9
  L1 w0.127: IC8H.39@-17.802,58.222 -17.802,57.947 -17.364,57.51 -15.63,57.51 -12.339,54.219 -11.742,54.219 -10.368,52.845 -10.368,50.643 -7.625,47.899 -7.625,46.138 -5.661,44.175 -3.064,44.175 J1.j30@-2.445,43.556
DCLKIOA: J1.f4 R11A.1 | length 25.4
  L1 w0.127: J1.f4@1.365,10.536 1.365,10.491 1.388,10.491 2,9.878 v1(2,9.856)
  L8 w0.127: R11A.1@-19.102,4.797 -19.082,4.797 -18.107,5.772 -3.964,5.772 -3.018,6.718 0.944,6.718 1.39,7.164 1.39,9.246 v1(2,9.856)
DCLKIOB: J1.g6 R11B.1 | length 23
  L1 w0.127: J1.g6@0.095,13.076 v1(0.73,12.441)
  L8 w0.127: R11B.1@-19.015,13.256 -18.406,13.256 -17.651,14.011 -15.298,14.011 -14.237,15.072 -13.331,15.072 -10.922,12.663 -3.171,12.663 -2.381,11.872 0.162,11.872 v1(0.73,12.441)
DCLKIOC: J1.e2 R11C.1 | length 37.5
  L1 w0.127: J1.e2@2.635,7.996 2.675,7.996 3.27,7.401 v1(3.31,7.401)
  L8 w0.127: R11C.1@-19.085,21.756 -17.979,21.756 -16.385,23.35 -14.655,23.35 -12.772,21.466 -12.772,17.123 -9.099,13.45 -2.865,13.45 -2.682,13.267 3.593,13.267 3.895,12.965 3.895,11.409 4.228,11.077 4.228,8.318 v1(3.31,7.401)
DCLKIOD: J1.d8 R11D.1 | length 33.9
  L1 w0.127: J1.d8@4.033,15.607 v1@4.665,14.975
  L8 w0.127: R11D.1@-19.102,30.297 -18.502,30.297 -18.039,30.761 -16.433,30.761 -14.214,28.542 -11.077,28.542 -10.219,27.684 -10.219,23.35 -2.485,15.616 4.027,15.616 v1(4.668,14.975)
DCLKIOE: J1.k16 R11E.1 | length 23.6
  L1 w0.127: v1(-4.731,26.27) -4.209,26.27 J1.k16@-3.715,25.776
  L8 w0.127: R11E.1@-19.102,38.797 -18.022,38.797 -17.559,39.261 -16.071,39.261 -15.283,38.472 -12.814,38.472 -8.211,33.868 -8.211,29.75 v1(-4.731,26.27)
DCLKIOF: J1.d20 R11F.1 | length 36.4
  L1 w0.127: J1.d20@4.033,30.847 v1@4.665,30.215
  L8 w0.127: R11F.1@-19.102,47.297 -18.502,47.297 -18.039,47.761 -15.491,47.761 -12.143,44.413 -8.766,44.413 -7.339,42.985 -7.339,35.652 -2.621,30.935 3.948,30.935 v1(4.668,30.215)
DCLKIOG: J1.k25 R11G.1 | length 28.8
  L1 w0.127: v1(-4.416,37.19) -4.408,37.198 -3.723,37.198 J1.k25@-3.715,37.206
  L8 w0.127: R11G.1@-19.102,55.797 -18.022,55.797 -17.559,56.261 -15.56,56.261 -11.472,52.172 -10.645,52.172 -10.368,51.895 -10.368,49.987 -10.571,49.784 -10.571,47.51 -6.89,43.829 -6.89,39.664 v1(-4.416,37.19)
DCLKIOH: J1.k28 R11H.1 | length 37.1
  L1 w0.127: v1(-4.499,40.856) -4.426,40.856 -4.266,41.016 J1.k28@-3.715,41.016
  L8 w0.127: R11H.1@-19.102,64.297 -18.413,64.987 -11.689,64.987 -10.726,64.023 -10.66,64.023 -10.11,63.474 -8.316,63.474 -7.542,62.7 -7.542,62.546 -7.247,62.251 -7.247,59.469 -6.574,58.796 -6.574,52.829 cw(c-7.625,51.504) -6.574,50.18 -6.574,46.002 -4.499,43.927 v1(-4.499,40.856)
DCXO_C_N: C24.1 R69.2 | length 1.7
  L8 w0.203: C24.1@-48.383,57.874 -48.096,57.587 -47.215,57.587 -46.948,57.854 R69.2@-46.948,57.874
DCXO_C_P: C23.1 R9.2 | length 1.7
  L8 w0.203: C23.1@-48.383,56.969 -48.096,57.257 -47.205,57.257 -46.938,56.989 R9.2@-46.938,56.969
DCXO_N: C24.2 IC3.4 R21.1 | length 4
  L1 w0.127: v3(-50.345,56.205) -50.345,56.131 -50.208,55.995 -50.208,55.825 -50.331,55.702 IC3.4@-50.331,55.414
  L3 w0.102: v3(-50.345,56.205) -50.317,56.178 v3@-50.196,56.178
  L8 w0.203: R21.1@-50.432,55.782 -50.345,55.87 v3(-50.345,56.205) -50.307,56.243 -50.307,56.43 -50.246,56.49 -50.246,56.713 -50.347,56.814 -50.347,57.274 -50.035,57.587 -49.571,57.587 C24.2@-49.283,57.874
DCXO_P: C23.2 IC3.3 R21.2 | length 3.3
  L1 w0.127: IC3.3@-49.831,55.414 -49.831,55.702 -49.954,55.825 -49.954,55.995 -49.818,56.131 v3(-49.818,56.205)
  L3 w0.102: v3(-49.818,56.205) v3@-49.818,56.212
  L8 w0.203: R21.2@-49.772,55.782 -49.818,55.828 v3(-49.818,56.205) -49.855,56.243 -49.855,56.43 -49.916,56.49 -49.916,56.85 -50.017,56.951 -50.017,57.137 -49.898,57.257 -49.571,57.257 C23.2@-49.283,56.969
FPGA_CLK2_N: J1.c23 U2.41 | length 84.1
  L1 w0.127: U2.41@-41.315,52.436 -41.315,52.65 -41.412,52.747 -41.412,52.852 -41.013,53.251 -40.824,53.251 -40.282,53.794 -40.282,54.109 -40.347,54.175 -40.347,54.404 v1(-40.381,54.438) ; J1.c23@5.175,34.666 5.178,34.666 5.813,34.031 v1(5.815,34.031)
  L5 w0.102: v1(-40.381,54.438) -40.42,54.477 -40.638,54.477 -40.772,54.612 -40.772,55.551 -40.158,56.166 -40.158,57.028 -38.711,58.474 -38.711,58.948 -34.976,62.683 -33.167,62.683 -32.582,63.268 -22.823,63.268 -21.813,62.258 -16.979,62.258 -16.904,62.332 -15.777,63.46 -11.704,63.46 -11.258,63.014 -5.266,63.014 -2.15,59.899 3.699,59.899 4.598,58.999 6.337,57.261 6.337,33.828 6.032,33.523 5.88,33.523 5.815,33.587 v1(5.815,34.031)
FPGA_CLK2_P: J1.c22 U2.42 | length 85.4
  L1 w0.127: U2.42@-41.815,52.436 -41.815,52.624 -41.666,52.773 -41.666,52.957 -41.118,53.505 -40.93,53.505 -40.536,53.899 -40.536,54.004 -40.663,54.131 -40.877,54.131 v1(-40.919,54.173) ; J1.c22@5.175,33.396 5.178,33.396 5.813,32.761 v1(5.815,32.761)
  L5 w0.102: v1(-40.919,54.173) -40.953,54.207 -40.953,54.434 -41.026,54.507 -41.026,55.657 -40.891,55.791 -40.412,56.271 -40.412,57.133 -38.965,58.579 -38.965,59.053 -35.082,62.937 -33.272,62.937 -32.687,63.522 -22.718,63.522 -21.707,62.512 -17.084,62.512 -15.882,63.714 -11.599,63.714 -11.153,63.268 -5.16,63.268 -2.045,60.153 3.804,60.153 6.591,57.366 6.591,33.723 6.137,33.269 5.88,33.269 5.815,33.204 v1(5.815,32.761)
GA0: IC40.2 J1.c34 | length 16.1
  L1 w0.127: IC40.2@5.001,60.848 5.015,60.835 5.015,60.013 v1(5.029,59.999) ; J1.c34@5.175,48.636 5.18,48.636 5.18,48.633 5.813,48.001 v1(5.815,48.001)
  L7 w0.127: v1(5.029,59.999) 5.029,59.945 7.903,57.071 7.903,51.717 7.441,51.255 7.441,49.074 6.85,48.483 6.298,48.483 v1(5.815,48.001)
GA1: IC40.1 J1.d35 | length 17.2
  L1 w0.127: v1(3.901,60.806) 4.458,60.806 IC40.1@4.501,60.848 ; J1.d35@4.033,49.897 v1@4.665,49.265
  L7 w0.127: v1(3.901,60.806) 3.901,60.672 4.37,60.203 4.37,60.051 7.649,56.772 7.649,51.822 6.813,50.986 6.813,49.816 5.779,48.782 5.15,48.782 4.678,49.254 4.668,49.254 v1(4.668,49.265)